# KiCad board prrplsattiny20_panel.kicad_pcb (continued)
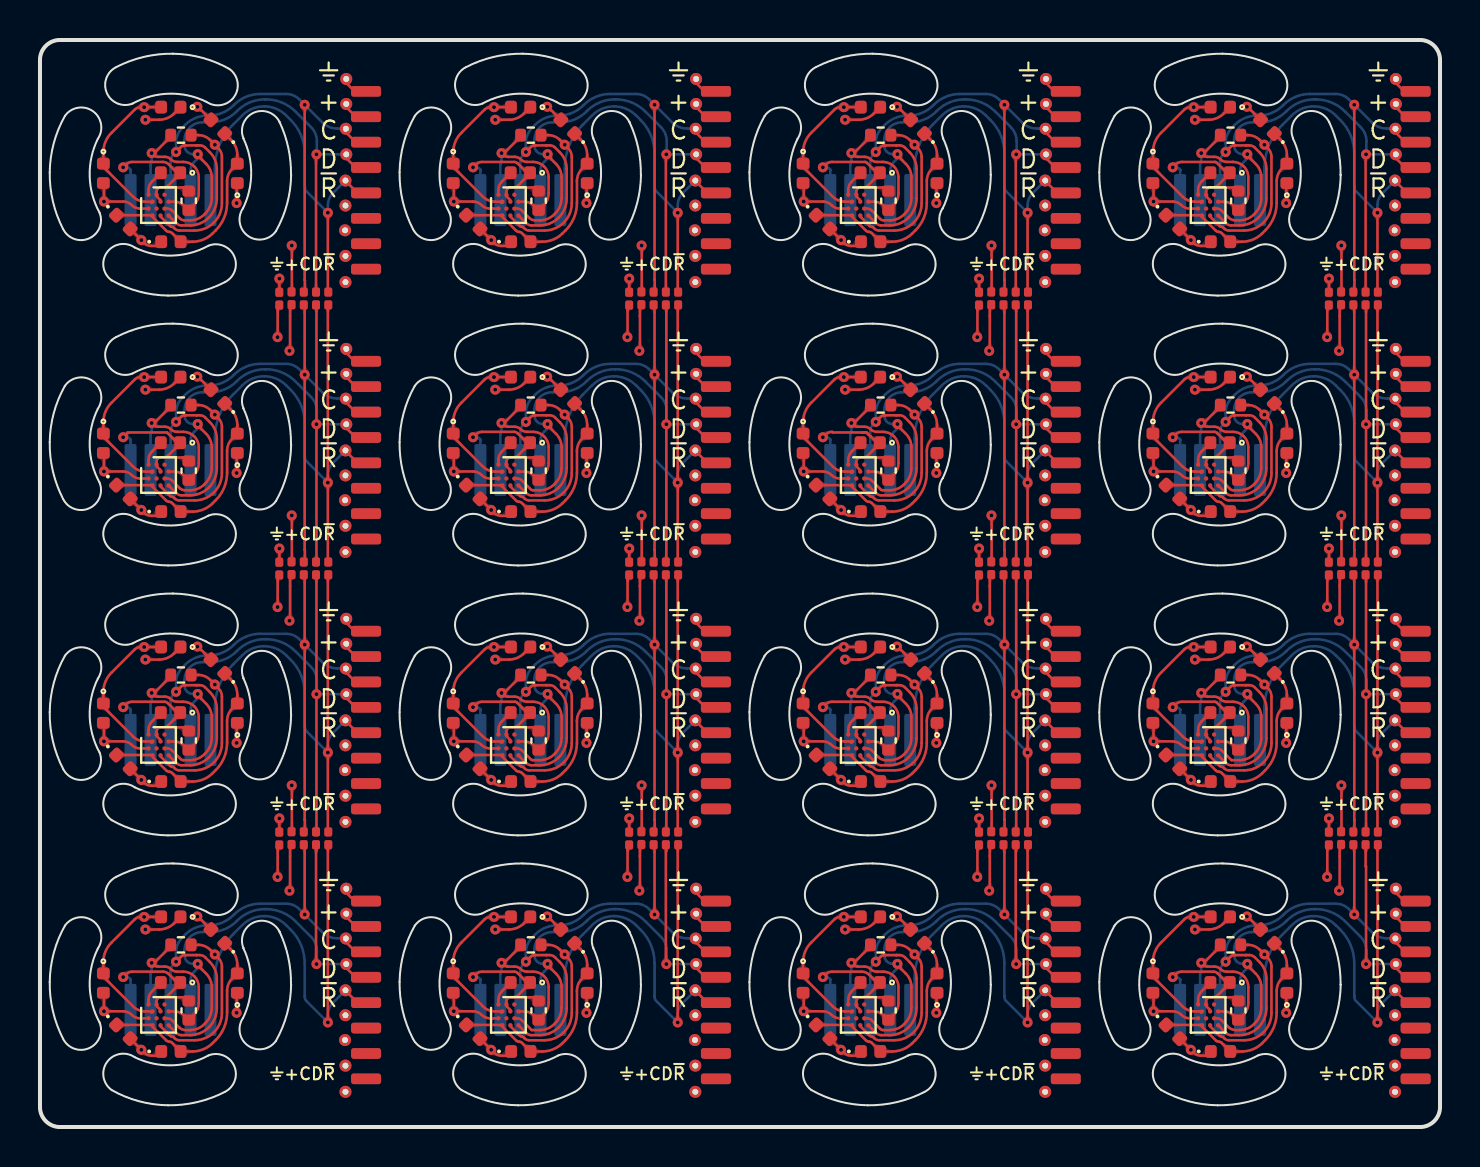
[diagram p0: board, top side]
## Routing (per net, layer and track width the routed paths; a pad name or vN(x,y) marks a point on that pad's centre or on a via; arc(x,y) is an arc through that point) (continued)

## Copper pours and planes (outline as drawn; the poured copper is in the pictures)
+5V on In1.Cu: 35.17,54.28 52.11,54.24 52.02,41.03 35.17,41.16
+5V on In1.Cu: 17.67,40.78 34.61,40.74 34.52,27.53 17.67,27.66
+5V on In1.Cu: 35.17,13.78 52.11,13.74 52.02,0.53 35.17,0.66
+5V on In1.Cu: 52.67,27.28 69.61,27.24 69.52,14.03 52.67,14.16
+5V on In1.Cu: 35.17,40.78 52.11,40.74 52.02,27.53 35.17,27.66
+5V on In1.Cu: 0.17,40.78 17.11,40.74 17.02,27.53 0.17,27.66
+5V on In1.Cu: 52.67,40.78 69.61,40.74 69.52,27.53 52.67,27.66
+5V on In1.Cu: 17.67,54.28 34.61,54.24 34.52,41.03 17.67,41.16
+5V on In1.Cu: 52.67,54.28 69.61,54.24 69.52,41.03 52.67,41.16
+5V on In1.Cu: 0.17,54.28 17.11,54.24 17.02,41.03 0.17,41.16
+5V on In1.Cu: 52.67,13.78 69.61,13.74 69.52,0.53 52.67,0.66
+5V on In1.Cu: 17.67,13.78 34.61,13.74 34.52,0.53 17.67,0.66
+5V on In1.Cu: 0.17,13.78 17.11,13.74 17.02,0.53 0.17,0.66
+5V on In1.Cu: 35.17,27.28 52.11,27.24 52.02,14.03 35.17,14.16
+5V on In1.Cu: 0.17,27.28 17.11,27.24 17.02,14.03 0.17,14.16
+5V on In1.Cu: 17.67,27.28 34.61,27.24 34.52,14.03 17.67,14.16
GND on In2.Cu: 0.12,27.15 17.11,27.33 17.06,14.12 0.08,14.07
GND on In2.Cu: 52.62,27.15 69.61,27.33 69.56,14.12 52.58,14.07
GND on In2.Cu: 35.12,13.65 52.11,13.83 52.06,0.62 35.08,0.57
GND on In2.Cu: 52.62,40.65 69.61,40.83 69.56,27.62 52.58,27.57
GND on In2.Cu: 0.12,13.65 17.11,13.83 17.06,0.62 0.08,0.57
GND on In2.Cu: 52.62,54.15 69.61,54.33 69.56,41.12 52.58,41.07
GND on In2.Cu: 17.62,40.65 34.61,40.83 34.56,27.62 17.58,27.57
GND on In2.Cu: 0.12,40.65 17.11,40.83 17.06,27.62 0.08,27.57
GND on In2.Cu: 52.62,13.65 69.61,13.83 69.56,0.62 52.58,0.57
GND on In2.Cu: 35.12,27.15 52.11,27.33 52.06,14.12 35.08,14.07
GND on In2.Cu: 17.62,13.65 34.61,13.83 34.56,0.62 17.58,0.57
GND on In2.Cu: 17.62,54.15 34.61,54.33 34.56,41.12 17.58,41.07
GND on In2.Cu: 0.12,54.15 17.11,54.33 17.06,41.12 0.08,41.07
GND on In2.Cu: 17.62,27.15 34.61,27.33 34.56,14.12 17.58,14.07
GND on In2.Cu: 35.12,54.15 52.11,54.33 52.06,41.12 35.08,41.07
GND on In2.Cu: 35.12,40.65 52.11,40.83 52.06,27.62 35.08,27.57

Small or netless copper shapes (teardrops, artwork), in the pictures only: 1008 on Top, 272 on Bottom, 144 on In1.Cu

## Text on the board
B.Silkscreen: JSK PRR PLS / v3.1 / 2528 WayWayWay
F.Silkscreen: ⏚+CD~{R} | ⏚ / + / C / D / ~{R}
User.1: V-Cut
